# Altium PCB PCB_HFAmp.PcbDoc (part 1 of 2)
Units mm, origin at the board's own origin, x right, y up, seen from the top; angles counter-clockwise.
Board outline 150 x 140 mm, 2 copper layers (Top Layer, Bottom Layer); 274 components, 126 nets, 774 pads, 823 vias.
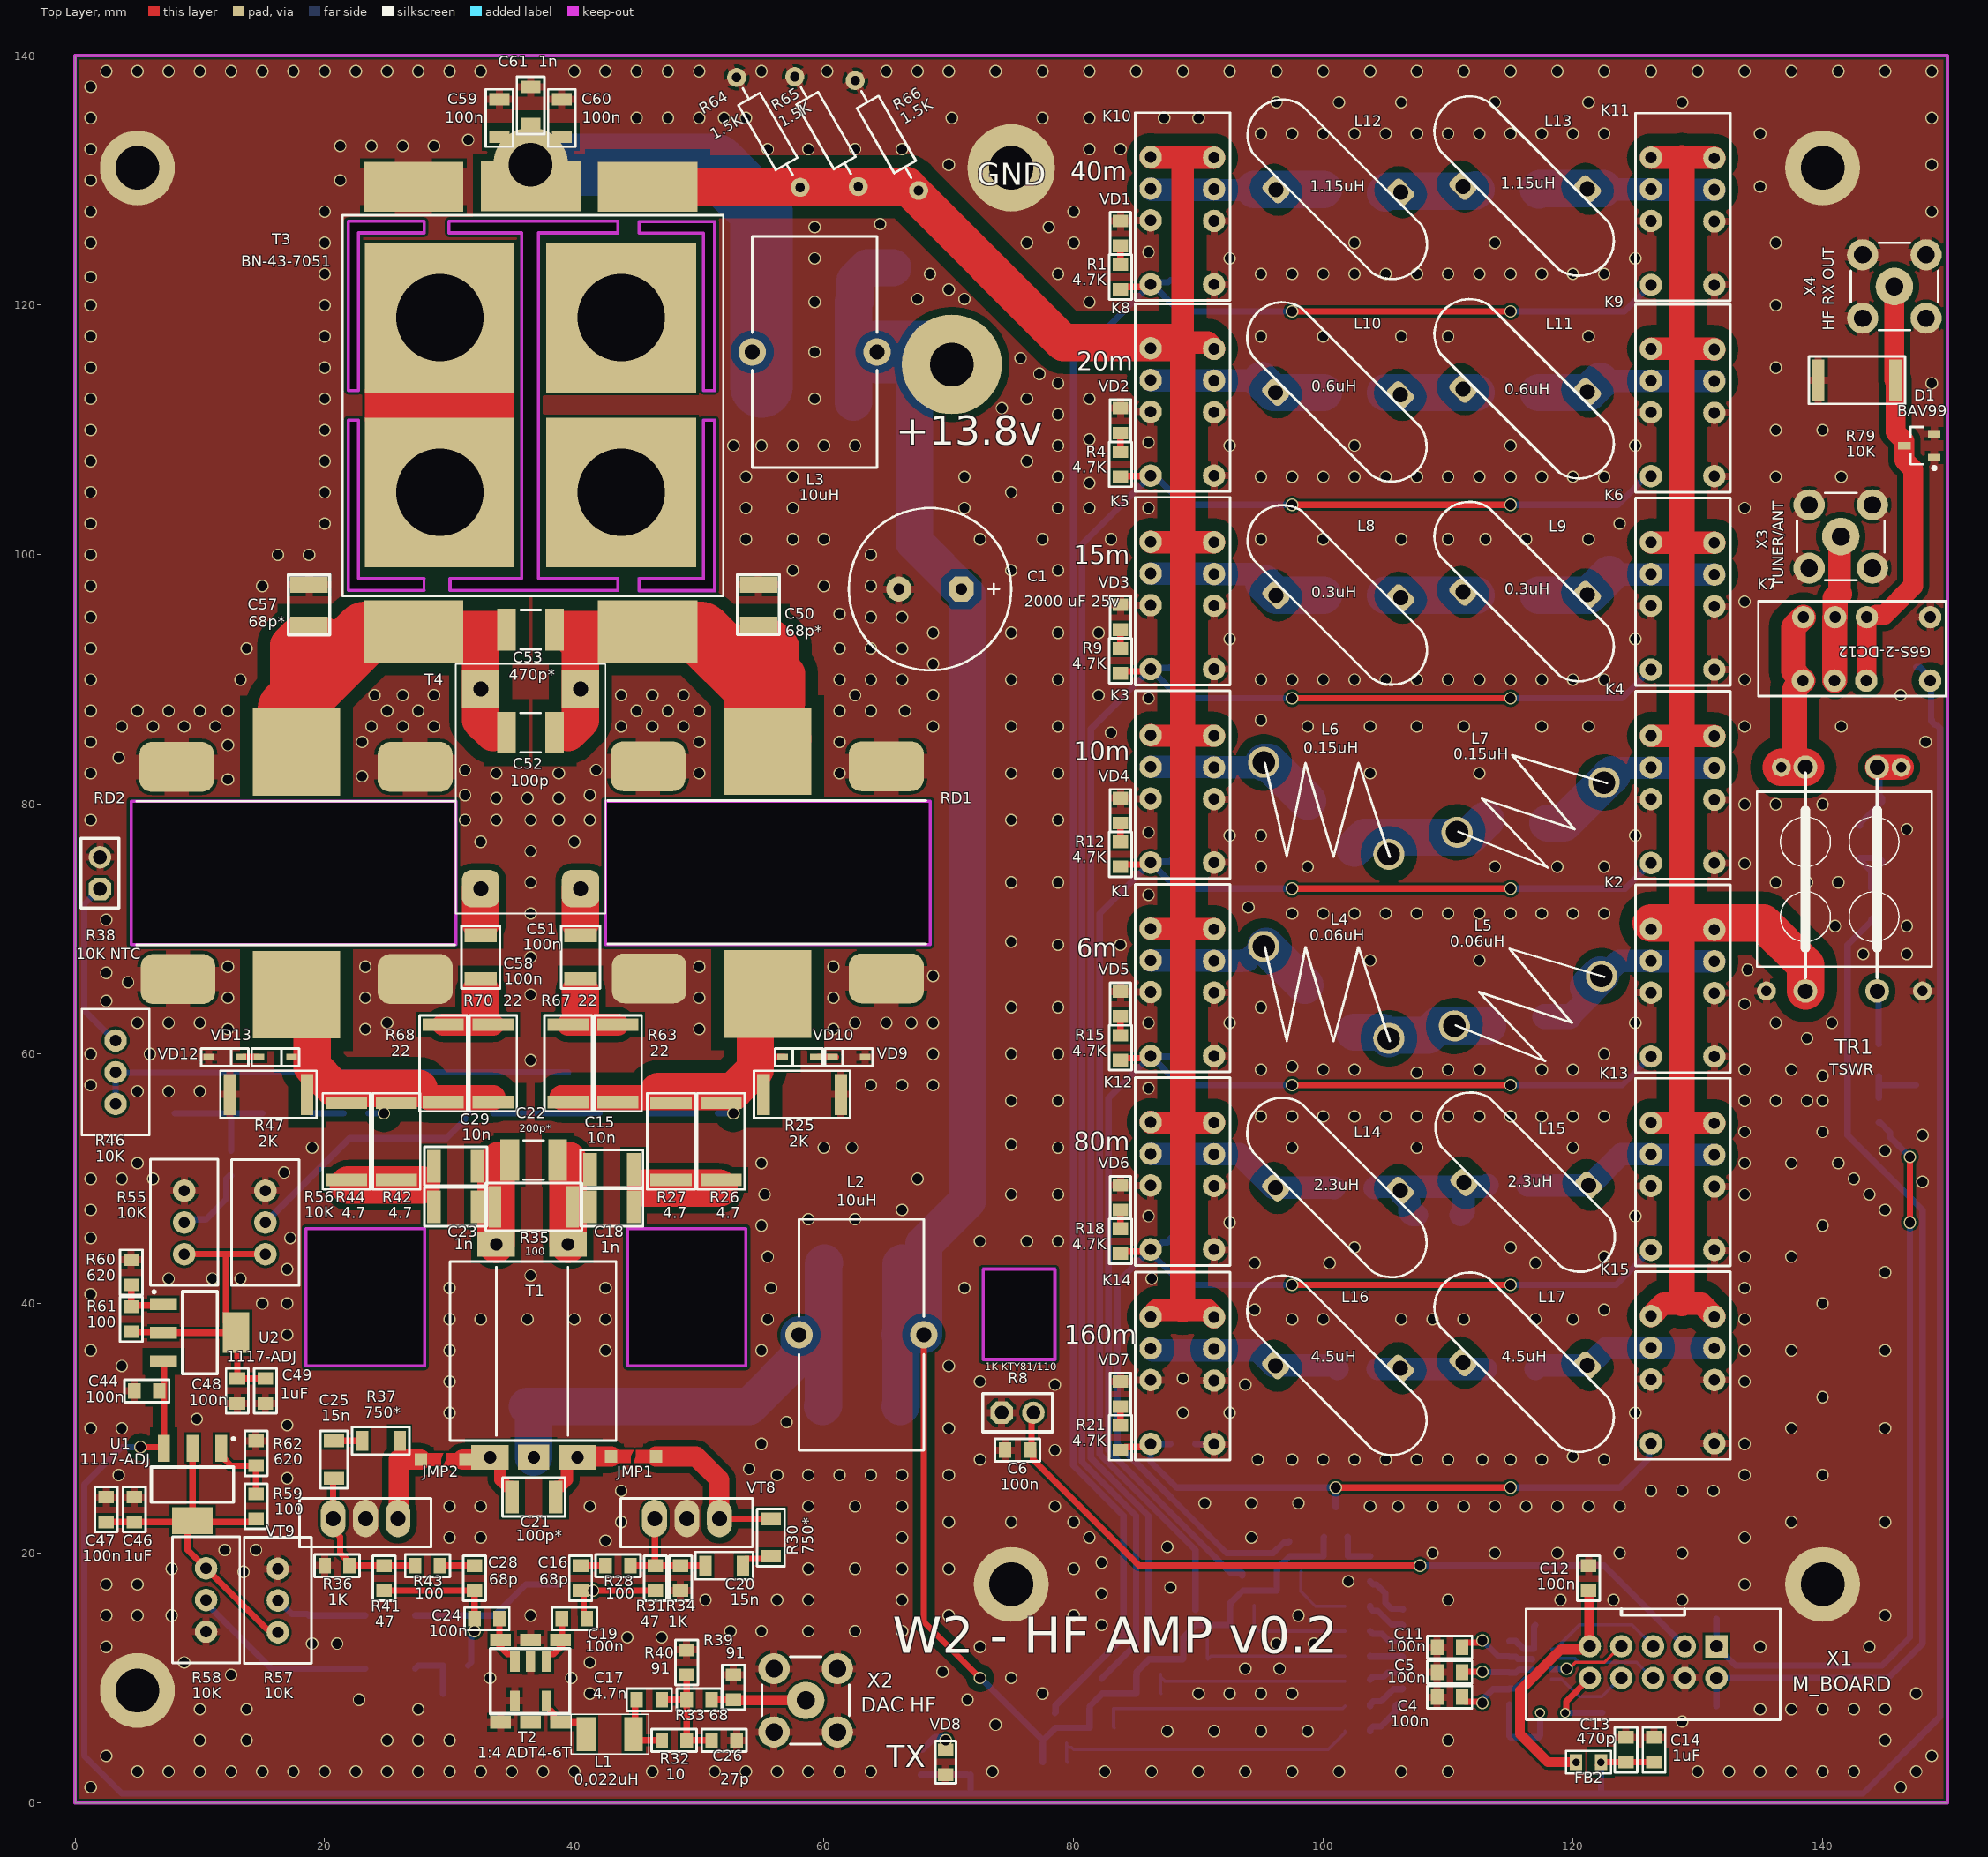
[diagram p0: Top Layer view]
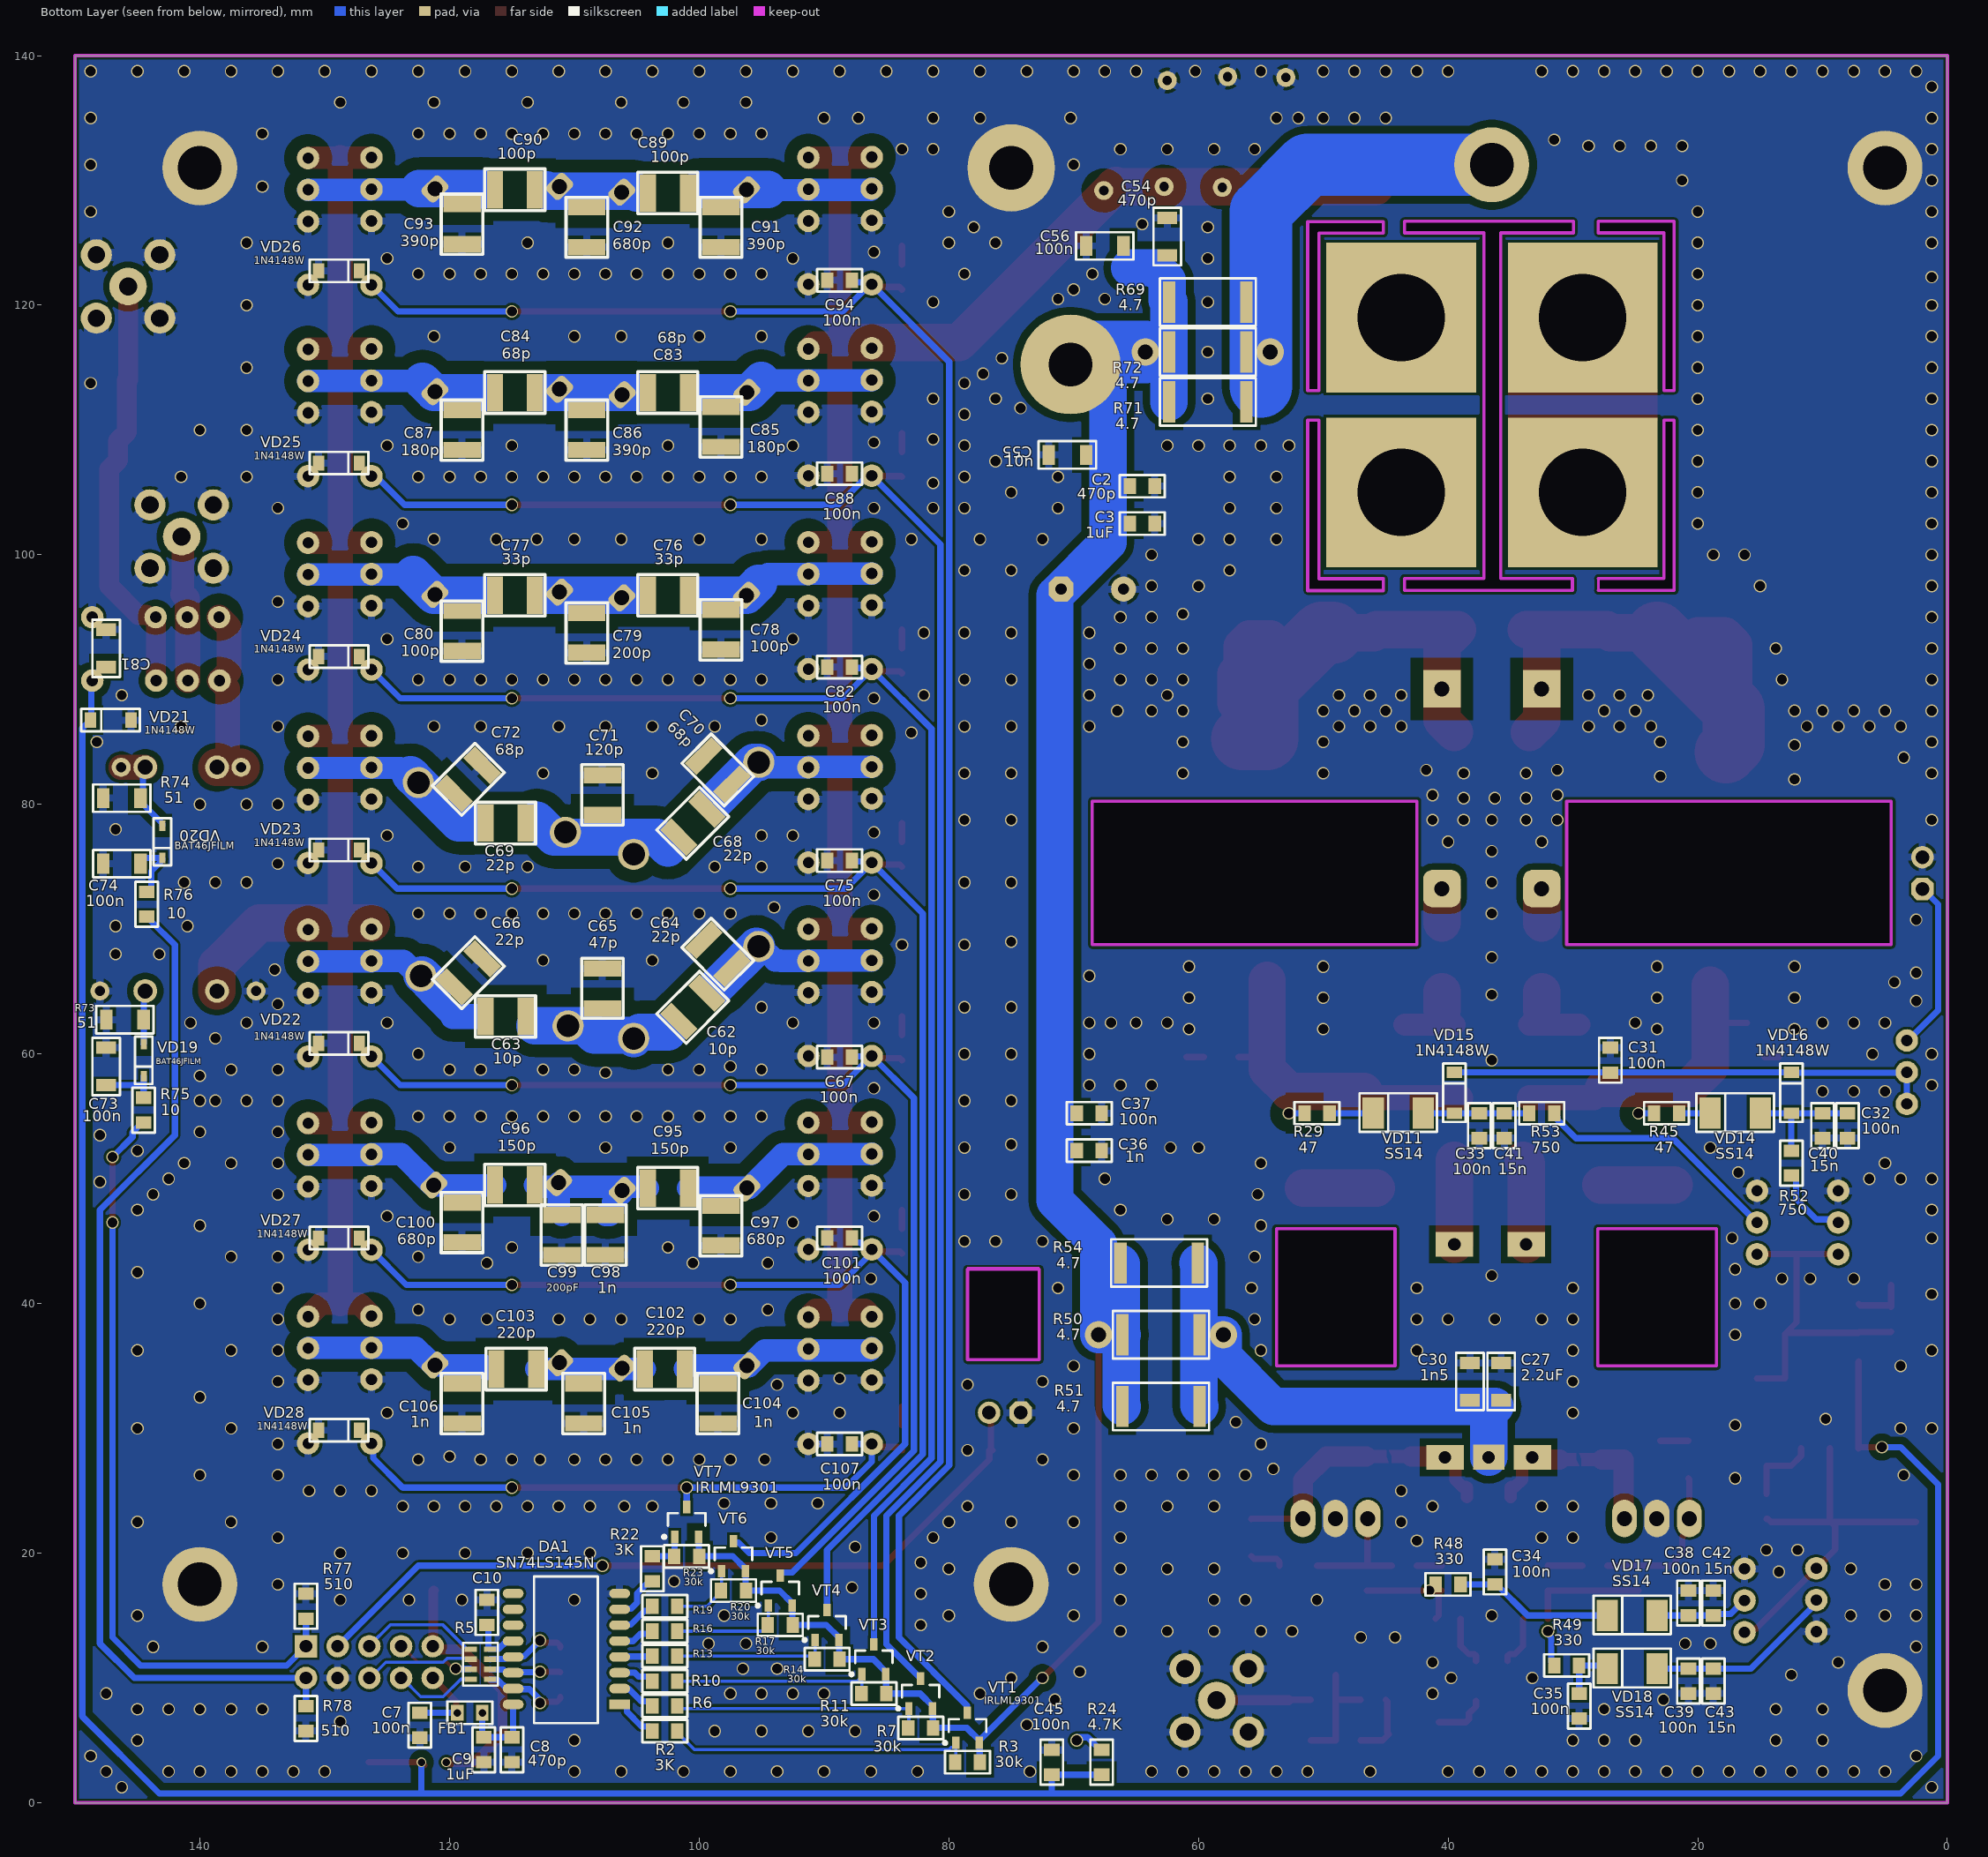
[diagram p1: Bottom Layer view, seen from below]
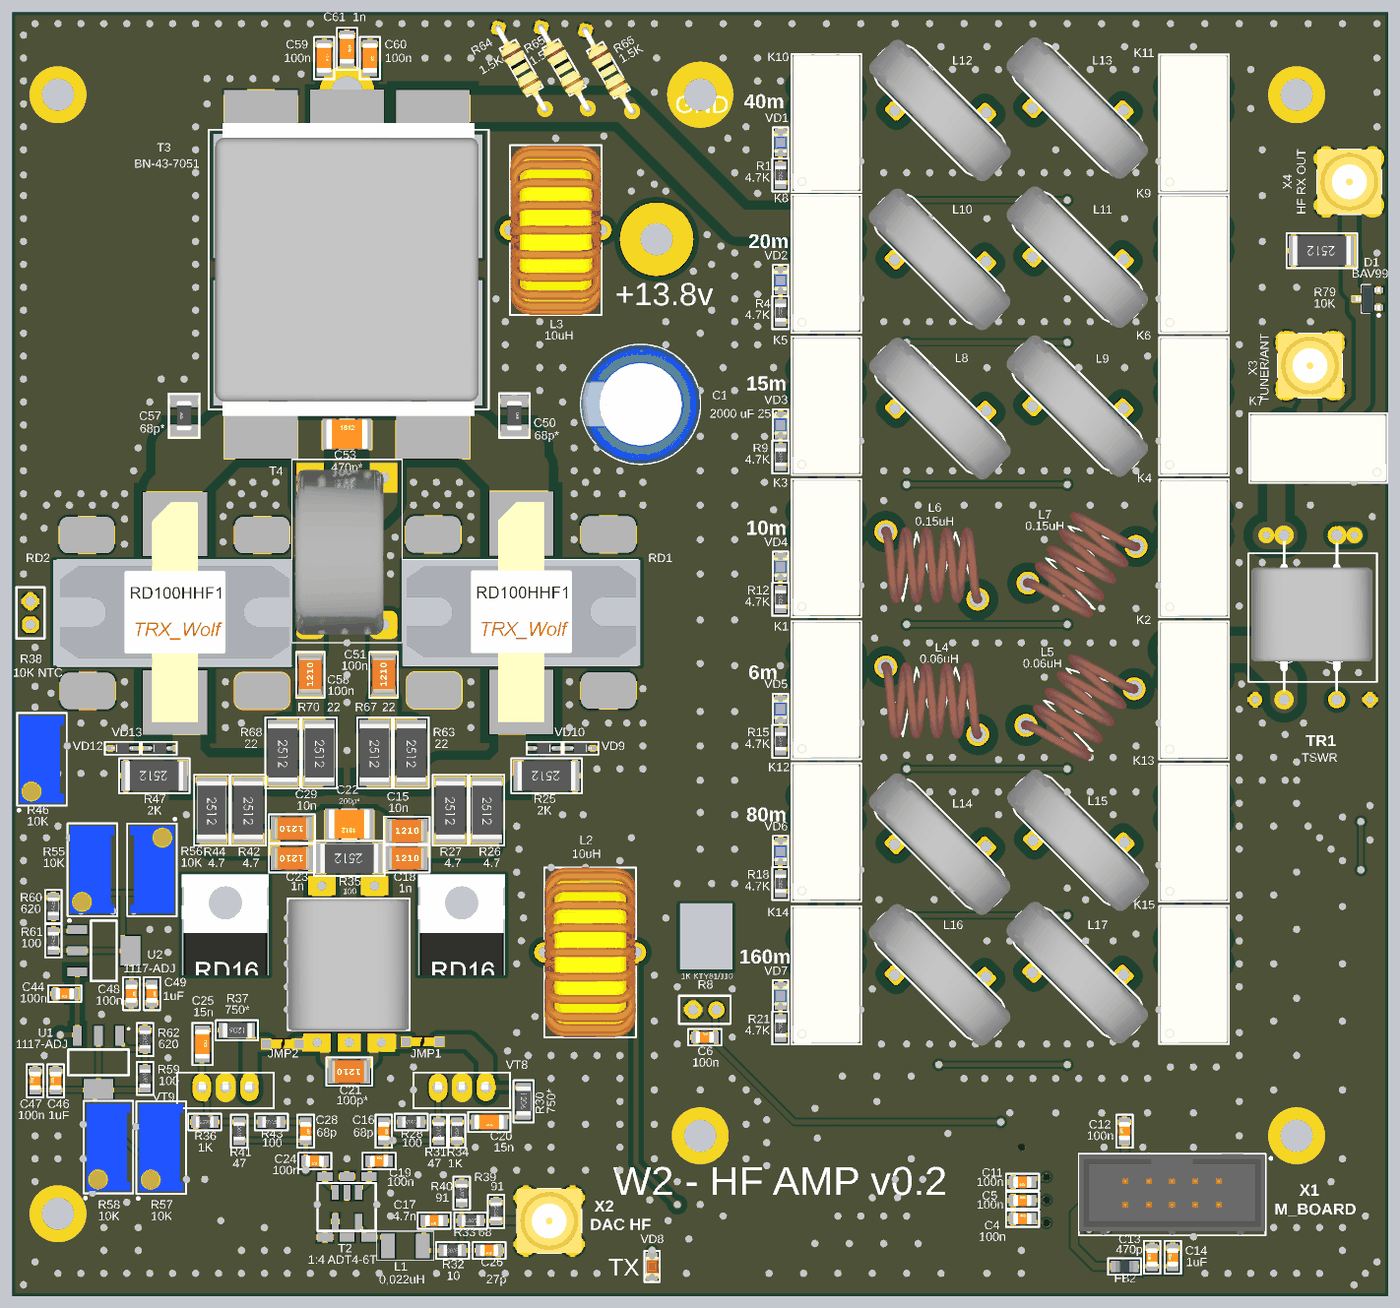
[diagram p3: 3D render of the assembled board from above, using the file's embedded part models]
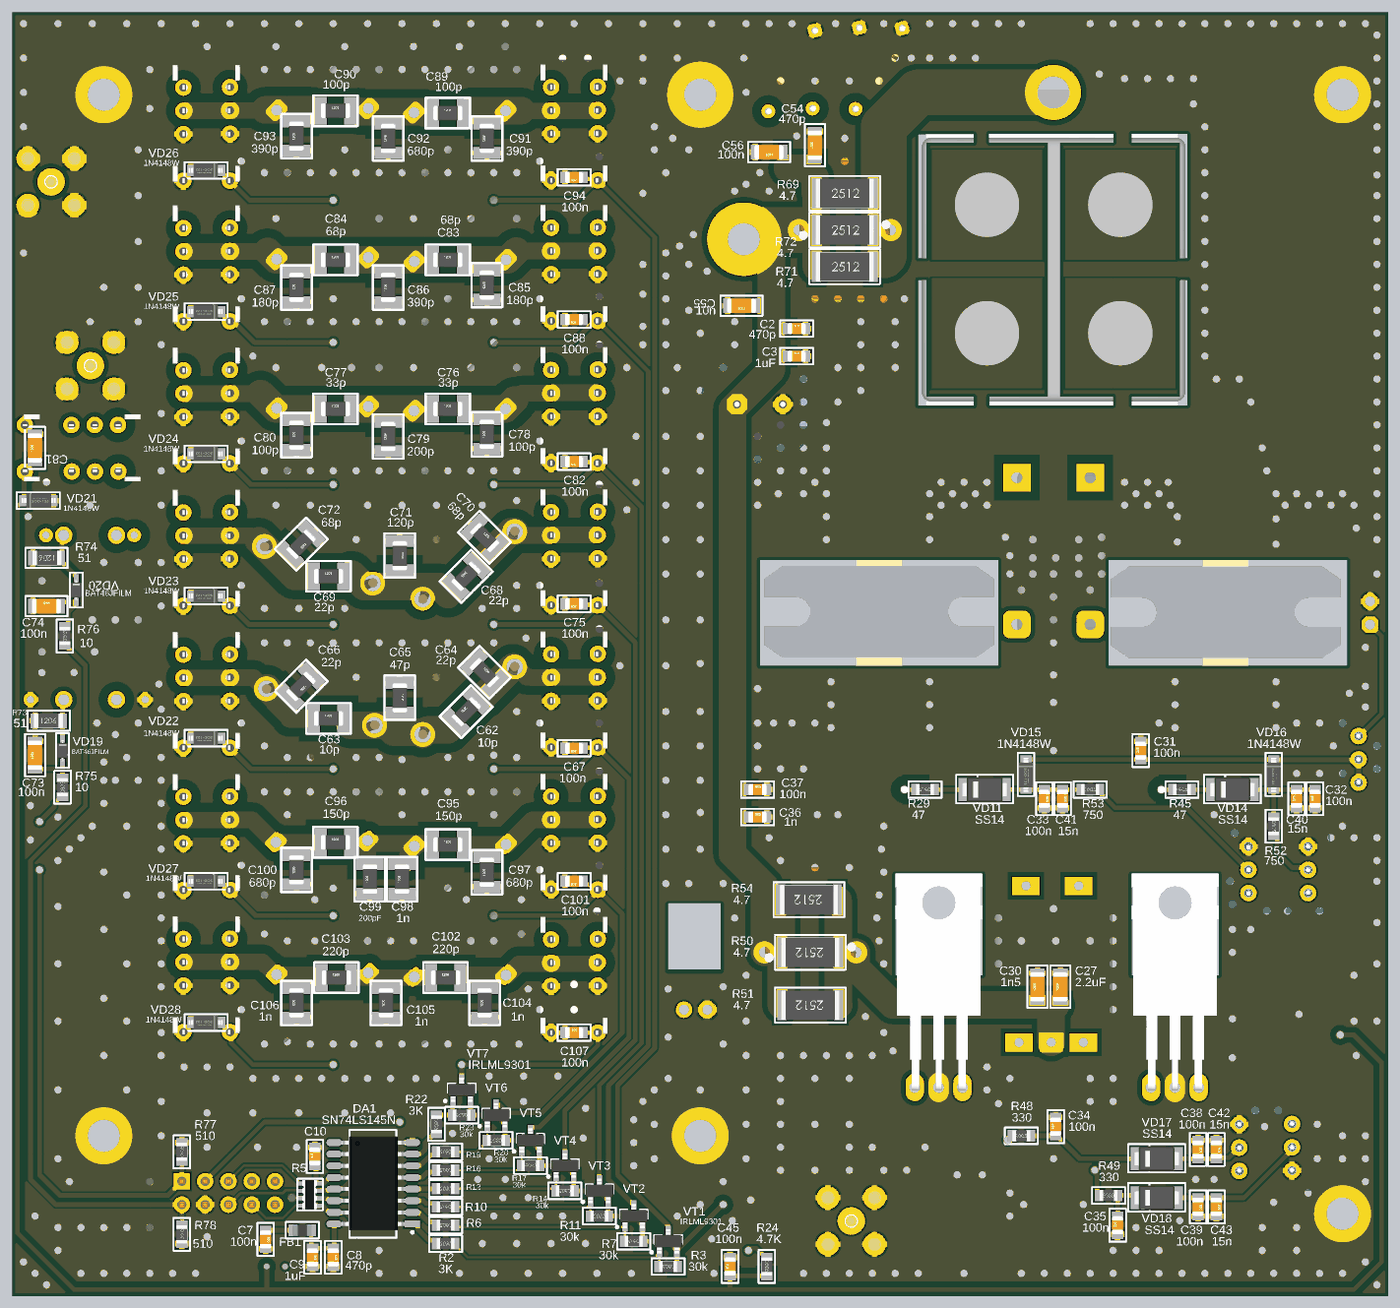
[diagram p4: 3D render of the assembled board from below, using the file's embedded part models]

## Layer stack, top to bottom
Top Solder: solder mask 0.0102, Solder Resist, Dk 3.5
Top Layer: signal copper 0.0356
Dielectric 1: dielectric 0.32, FR-4, Dk 4.8
Bottom Layer: signal copper 0.0356
Bottom Solder: solder mask 0.0102, Solder Resist, Dk 3.5

## Board outline
0,0 0,140 150,140 150,0
cut-out: 22.715,110.796 21.89,110.796 21.89,97.146 27.965,97.146 27.965,98.096 22.715,98.096
cut-out: 51.249,110.796 50.34,110.796 50.34,98.08 45.174,98.08 45.174,97.13 51.249,97.13
cut-out: 45.174,126.705 51.249,126.705 51.249,113.171 50.34,113.171 50.34,125.78 45.174,125.78
cut-out: 29.965,126.721 43.515,126.721 43.515,125.811 43.5,125.796 37.115,125.796 37.115,98.096 43.5,98.096 43.5,97.146 30.04,97.146 30.04,98.096 35.79,98.096 35.79,125.796 29.965,125.796
cut-out: 27.965,126.721 21.89,126.721 21.89,113.171 22.715,113.171 22.715,125.796 27.965,125.796
cut-out: 72.75,42.875 78.5,42.875 78.5,35.625 72.75,35.625
cut-out: 42.5,80.25 42.5,68.75 68.5,68.75 68.5,80.25
cut-out: 4.5,80.25 30.5,80.25 30.5,68.75 4.5,68.75
cut-out: 44.25,46 53.75,46 53.75,35 44.25,35
cut-out: 28,46 18.5,46 18.5,35 28,35

## Design rules (kind name [scope] priority, off if disabled: settings)
Clearance RF_OUT_S [InNetClass('RF_OUT_S')] p1: gap=0.5 ignorepadtopadclearanceinfootprint=FALSE
Clearance RF_OUT [InNetClass('RF_OUT')] p2: gap=1 ignorepadtopadclearanceinfootprint=FALSE
Clearance Power [InNetClass('Power')] p3: gap=0.6 ignorepadtopadclearanceinfootprint=FALSE
Clearance [All] p4: gap=0.2 ignorepadtopadclearanceinfootprint=FALSE
PolygonConnect [All] p1: connectstyle=Relief reliefconductorwidth=0.6 reliefentries=4 polygonreliefangle="90 Angle" airgapwidth=0.254
RoutingVias [All] p1: holewidth=0.711 width=1.27 viastyle="Through Hole" minholewidth=0.711 minwidth=1.27 maxholewidth=0.711 maxwidth=1.27
SolderMaskExpansion [All] p1: expansion=0.102 istentingtop=FALSE
Width [All] p1: maxlimit=5 minlimit=0.254 preferedwidth=0.508 minimp=50.000000 maximp=50.000000 favimp=50.000000
30 further rules are at their usual default settings.

## Classes and differential pairs
net class Power: +12TX +13V8 NetC27_1 NetC59_2
net class RF_OUT_S: NetC15_1 NetC15_2 NetC21_1 NetC21_2 NetC22_2 NetC23_2 NetC51_1 NetC51_2 NetC58_1 NetC58_2 NetD1_3 NetJMP1_1 NetJMP2_1 NetK7_4 NetR73_2 NetR74_1
net class RF_OUT: LPF_OUT NetC50_2 NetC52_1 NetC62_1 NetC62_2 NetC63_1 NetC68_1 NetC68_2 NetC69_1 NetC76_1 NetC76_2 NetC77_1 NetC83_1 NetC83_2 NetC84_1 NetC89_1 NetC89_2 NetC90_1 NetC95_1 NetC95_2 NetC96_1 NetC102_1 NetC102_2 NetC103_1 PA_OUT RD100_1 RD100_2 SWR_OUT
component class HF_LPF: C62 C63 C64 C65 C66 C67 C68 C69 C70 C71 C72 C73 C74 C75 C76 C77 C78 C79 C80 C81 C82 C83 C84 C85 C86 C87 C88 C89 C90 C91 C92 C93 C94 C95 C96 C97 C98 C99 C100 C101 C102 C103 C104 C105 C106 C107 D1 K1 K2 K3 K4 K5 K6 K7 K8 K9 K10 K11 K12 K13 K14 K15 L4 L5 L6 L7 L8 L9 L10 L11 L12 L13 L14 L15 L16 L17 R73 R74 R75 R76 R77 R78 R79 TR1 VD19 VD20 VD21 VD22 VD23 VD24 VD25 VD26 VD27 VD28 X3 X4
component class HF_Control: C1 C2 C3 C4 C5 C6 C7 C8 C9 C10 C11 C12 C13 C14 DA1 FB1 FB2 R1 R2 R3 R4 R5 R6 R7 R8 R9 R10 R11 R12 R13 R14 R15 R16 R17 R18 R19 R20 R21 R22 R23 R24 VD1 VD2 VD3 VD4 VD5 VD6 VD7 VD8 VT1 VT2 VT3 VT4 VT5 VT6 VT7 X1
component class HF_Amp: C15 C16 C17 C18 C19 C20 C21 C22 C23 C24 C25 C26 C27 C28 C29 C30 C31 C32 C33 C34 C35 C36 C37 C38 C39 C40 C41 C42 C43 C44 C45 C46 C47 C48 C49 C50 C51 C52 C53 C54 C55 C56 C57 C58 C59 C60 C61 JMP1 JMP2 L1 L2 L3 R25 R26 R27 R28 R29 R30 R31 R32 R33 R34 R35 R36 R37 R38 R39 R40 R41 R42 R43 R44 R45 R46 R47 R48 R49 R50 R51 R52 R53 R54 R55 R56 R57 R58 R59 R60 R61 R62 R63 R64 R65 R66 R67 R68 R69 R70 R71 R72 RD1 RD2 T1 T2 T3 T4 U1 U2 VD9 VD10 VD11 VD12 VD13 VD14 VD15 VD16 VD17 VD18 VT8 VT9 X2
